# Altium PCB 控制盒基板.PcbDoc (part 5 of 8)
Units mil, origin at the board's own origin, x right, y up, seen from the top; angles counter-clockwise.
Board outline 12046.02 x 6189.14 mil, 4 copper layers (Top Layer, SGND, POWER, Bottom Layer); 368 components, 219 nets, 1110 pads, 351 vias.
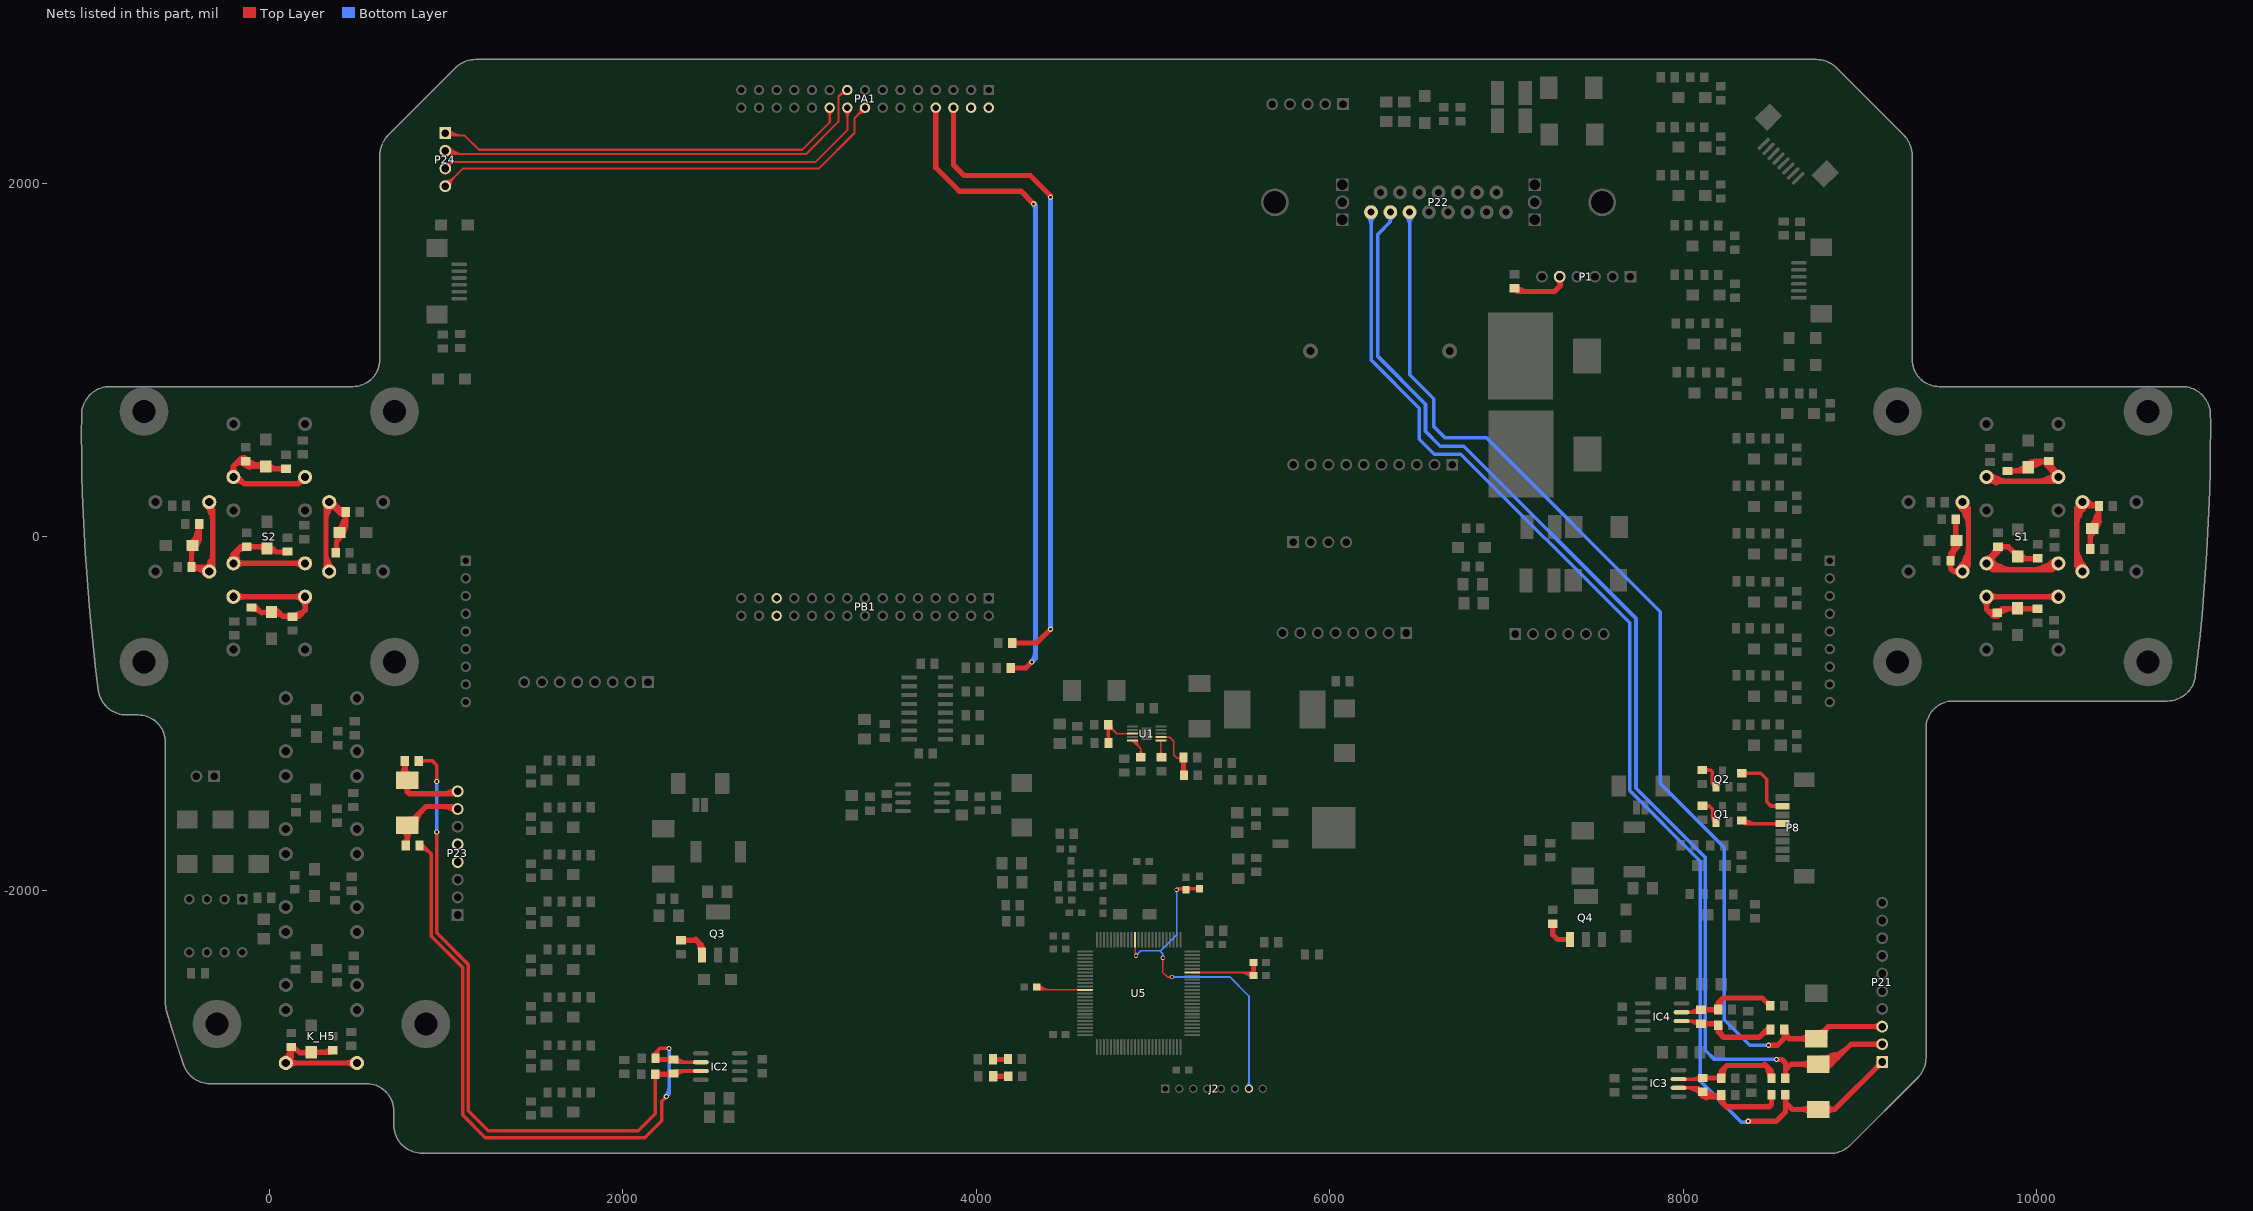
[diagram p7: the nets of this part, all layers, seen from the top]

## Via types
v1: diameter 30, hole 16, Top Layer to Bottom Layer, tented both sides, 209 vias
v2: diameter 24, hole 16, Top Layer to Bottom Layer, tented both sides, 75 vias
v3: diameter 30, hole 18, Top Layer to Bottom Layer, tented both sides, 57 vias
v4: diameter 28, hole 18, Top Layer to Bottom Layer, tented both sides, 10 vias

## Nets (pads, with @x,y where several pads share a name; then routed paths per layer and width w, separated by ;. In a path a pad name is that pad's centre, name@x,y a point inside that pad or via, vN(x,y) a via of type N, cw(c..) or ccw(c..) an arc to the next point about the centre after c; other vN are vias at no path point) (continued)
NetD14_2: D14.2 K_H5.2 R17.1 R22.2 | length 1935.8
  Top Layer w30: K_H5.2@99.71,-2952.51 ccw(c106.13,-2926.61) 125,-2945.47 ; R17.1@113.6,-2890.68 cw(c84.32,-2907.58) 116.97,-2916.33 ; K_H5.2@117.97,-2970.76 cw(c143.87,-2964.34) 125,-2945.47 ; 327.86,-2911.46 cw(c338.22,-2929.42) R22.2@350.12,-2912.43 ; R22.2@359,-2905.37 348.58,-2915.79 D14.2@238,-2915.79 234.79,-2919 171,-2919 138.37,-2886.37 R17.1@125,-2886.37 125,-2945.47 ; K_H5.2@496.85,-2976.77 K_H5.2@93.7,-2976.77 125,-2945.47 ; 154.06,-2976.77 ccw(c154.06,-3037.13) 111.38,-2994.45 cw(c154.06,-3037.13) 154.06,-2976.77 ; 154.06,-2976.77 cw(c154.06,-2916.42) 111.38,-2959.09 ccw(c154.06,-2916.42) 154.06,-2976.77 ; 277.83,-2915.79 ccw(c277.83,-2955.61) 249.67,-2927.45 cw(c277.83,-2955.61) 277.83,-2915.79 ; 277.83,-2915.79 cw(c277.83,-2875.96) 249.67,-2904.12 ccw(c277.83,-2875.96) 277.83,-2915.79 ; 436.5,-2976.77 ccw(c436.5,-2916.42) 479.17,-2959.09 cw(c436.5,-2916.42) 436.5,-2976.77 ; 436.5,-2976.77 cw(c436.5,-3037.13) 479.17,-2994.45 ccw(c436.5,-3037.13) 436.5,-2976.77 ; K_H5.2@82.67,-2954.34 ccw(c49.28,-2886.37) R17.1@125,-2886.37 cw(c49.28,-2886.37) K_H5.2@82.67,-2954.34 ; K_H5.2@95.91,-2981.26 ccw(c72.95,-2934.54) 125,-2934.54 cw(c72.95,-2934.54) K_H5.2@95.91,-2981.26 ; R17.1@128.94,-2894.99 cw(c128.94,-2938.58) 159.76,-2907.76 ccw(c128.94,-2938.58) R17.1@128.94,-2894.99 ; 197.55,-2919 ccw(c197.55,-2878.29) 226.34,-2907.08 cw(c197.55,-2878.29) 197.55,-2919 ; 198.8,-2919 cw(c198.8,-2957.94) 226.34,-2930.41 ccw(c198.8,-2957.94) 198.8,-2919 ; 309.1,-2915.79 ccw(c309.1,-2859.4) 348.97,-2899.27 cw(c309.1,-2859.4) 309.1,-2915.79
NetD31_2: D31.2 R55.1 R57.2 S1.2 | length 3078.9
  Top Layer w30: S1.2@9716.57,338.98 9737.02,338.98 9761,315 ; S1.2@9724.82,315.38 cw(c9739.59,273.14) 9771.22,304.78 ; S1.2@9730.34,318.11 cw(c9743.77,297.77) 9761,315 ; S1.2@9733.7,320.76 cw(c9763.89,288.65) 9785.93,326.82 ; R57.2@9835,372.63 9931.42,372.63 9987.42,428.63 R55.1@10069,428.63 ; 9903.47,380.64 cw(c9920.24,351.59) D31.2@9941.53,377.51 ; D31.2@9957.14,411.84 ccw(c9981.87,487.23) 10022.04,418.81 ; R55.1@10051.56,428.63 ccw(c10096.79,428.63) 10064.81,396.65 ; R55.1@10051.93,432.58 ccw(c10088.69,425.67) 10062.24,399.22 ; 10053.13,326.82 cw(c10075.17,288.65) S1.2@10105.36,320.76 ; R55.1@10067.32,422.09 cw(c10035.23,384.73) 10084.34,388.46 ; 10069,398.31 cw(c10103.26,398.31) R55.1@10079.03,422.53 ; 10080.58,396.87 ccw(c10140.6,431.53) S1.2@10127.28,363.51 ; R55.1@10081.41,427.04 ccw(c10156.33,412.94) S1.2@10102.42,359.03 ; R55.1@10081.56,428.63 ccw(c10199.21,428.63) S1.2@10116.02,345.44 ; 10087.4,395.01 ccw(c10146.66,429.22) S1.2@10128.95,363.12 ; 10093.11,385.12 cw(c10047.83,358.98) 10098.33,345.45 ccw(c10064.24,354.58) 10094.81,372.22 ; 9761,315 10098.5,315 S1.2@10122.48,338.98 10069,392.46 R55.1@10069,428.63 ; R55.1@10069,428.63 ccw(c10068.99,280.87) 9963.75,384.59 cw(c10068.99,280.87) R55.1@10069,428.63 ; 10079.8,381.65 ccw(c10122.48,424.33) 10122.48,363.98 cw(c10122.48,424.33) 10079.8,381.65 ; 10079.8,381.65 cw(c10037.13,338.98) 10097.48,338.98 ccw(c10037.13,338.98) 10079.8,381.65 ; S1.2@9713.04,335.44 ccw(c9762.39,384.79) 9762.39,315 cw(c9762.39,384.79) S1.2@9713.04,335.44 ; S1.2@9734.25,356.65 ccw(c9834.81,457.21) 9834.81,315 cw(c9834.81,457.21) S1.2@9734.25,356.65 ; 9869.62,372.63 ccw(c9869.62,472.64) 9940.34,401.92 cw(c9869.62,472.64) 9869.62,372.63 ; D31.2@9942.38,405.64 cw(c9997.31,351.51) 9997.31,428.63 ccw(c9997.31,351.51) D31.2@9942.38,405.64 ; D31.2@9952,412.66 ccw(c9952,459.61) 9985.2,426.41 cw(c9952,459.61) D31.2@9952,412.66 ; D31.2@9968.5,396.16 cw(c10001.19,396.16) 9978.07,419.28 ccw(c10001.19,396.16) D31.2@9968.5,396.16 ; 10004.24,315 ccw(c10004.24,457.21) 10104.8,356.65 cw(c10004.24,457.21) 10004.24,315 ; 10076.67,315 ccw(c10076.67,384.79) 10126.02,335.44 cw(c10076.67,384.79) 10076.67,315
NetD32_2: D32.2 R56.1 R58.2 S2.2 | length 2087.2
  Top Layer w30: S2.2@-196.31,314.87 cw(c-180.93,259.07) -140,300 ; -194.59,408.41 cw(c-158.85,372.68) R56.1@-140.13,419.62 ; -166.05,436.95 cw(c-136.94,407.83) R56.1@-136.94,449.01 ; R56.1@-138.7,419.19 ccw(c-153.13,350.23) -202.95,400.05 ; R56.1@-126.83,419.3 cw(c-114.08,371.73) -89.46,414.38 ; R56.1@-121.28,423.92 ccw(c-100.4,413.95) -111.97,393.91 ; -77.41,408.98 ccw(c-60.64,471.56) D32.2@-28.25,415.45 ; D32.2@-5.78,386.89 cw(c8.18,378.67) 16.29,392.71 ; R58.2@95,385.63 20.37,385.63 ; S2.2@178.01,337.32 cw(c129.85,334.13) 163.98,300 ; S2.2@201.3,314.03 ccw(c198.1,265.88) 163.98,300 ; S2.2@202.95,338.98 163.98,300 ; -202.95,399.33 ccw(c-142.6,399.33) -185.28,356.65 cw(c-142.6,399.33) -202.95,399.33 ; -202.95,399.33 cw(c-263.31,399.33) -220.63,356.65 ccw(c-263.31,399.33) -202.95,399.33 ; -202.95,400.05 -175.37,427.63 R56.1@-133,427.63 -103.58,398.21 D32.2@-20,398.21 7.79,398.21 20.37,385.63 ; -202.95,400.05 S2.2@-202.95,338.98 -178.98,338.98 -140,300 ; -140,300 163.98,300 ; -59.82,398.21 ccw(c-59.82,438.04) -31.66,409.88 cw(c-59.82,438.04) -59.82,398.21 ; -59.82,398.21 cw(c-59.82,358.39) -31.66,386.55 ccw(c-59.82,358.39) -59.82,398.21 ; 20.37,385.63 cw(c20.37,413.39) -4.95,402.02 ccw(c20.37,413.39) 20.37,385.63 ; R56.1@-144.18,412.51 ccw(c-109.65,447.04) -109.65,398.21 cw(c-109.65,447.04) R56.1@-144.18,412.51 ; R56.1@-122.97,433.73 ccw(c-37.23,519.47) -37.23,398.21 cw(c-37.23,519.47) R56.1@-122.97,433.73 ; R56.1@-120.44,427.63 ccw(c-90.12,427.63) -111.56,406.19 cw(c-90.12,427.63) R56.1@-120.44,427.63 ; D32.2@-8.33,406.92 ccw(c43.07,458.33) 43.07,385.63 cw(c43.07,458.33) D32.2@-8.33,406.92
NetD34_2: D34.2 R60.1 R63.2 S1.4 | length 1992.9
  Top Layer w30: 9746.79,-441.79 ccw(c9768.88,-419.71) R60.1@9782.15,-447.98 ; R60.1@9769.4,-420.82 cw(c9749.57,-378.58) 9716.58,-411.58 ; R60.1@9783.17,-420.3 ccw(c9795.92,-372.73) 9820.54,-415.38 ; R63.2@10005,-407.63 9806,-407.63 9780,-433.63 9738.63,-433.63 9716.57,-411.57 ; S1.4@10122.48,-338.98 S1.4@9716.57,-338.98 9716.57,-411.57 ; 9716.57,-399.33 ccw(c9656.22,-399.33) 9698.9,-356.65 cw(c9656.22,-399.33) 9716.57,-399.33 ; 9716.57,-399.33 cw(c9776.93,-399.33) S1.4@9734.25,-356.65 ; 9716.57,-399.33 cw(c9776.93,-399.33) S1.4@9734.25,-356.65 ; S1.4@9734.25,-356.65 cw(c9776.93,-399.33) 9776.93,-338.98 ; S1.4@9734.25,-356.65 cw(c9776.93,-399.33) 9776.93,-338.98 ; 9776.93,-338.98 cw(c9776.93,-278.62) 9734.25,-321.3 ccw(c9776.93,-278.62) 9776.93,-338.98 ; 10062.13,-338.98 ccw(c10062.13,-278.62) 10104.8,-321.3 cw(c10062.13,-278.62) 10062.13,-338.98 ; 10062.13,-338.98 cw(c10062.13,-399.33) 10104.8,-356.65 ccw(c10062.13,-399.33) 10062.13,-338.98 ; 9740.18,-433.63 ccw(c9740.18,-395.74) 9766.97,-422.53 cw(c9740.18,-395.74) 9740.18,-433.63 ; R60.1@9780.94,-420.01 ccw(c9780.94,-389.38) 9802.59,-411.04 cw(c9780.94,-389.38) R60.1@9780.94,-420.01 ; R60.1@9787.03,-434.73 cw(c9852.45,-500.14) 9852.45,-407.63 ccw(c9852.45,-500.14) R60.1@9787.03,-434.73 ; 9851.06,-407.63 ccw(c9851.06,-366.22) 9880.34,-395.5 cw(c9851.06,-366.22) 9851.06,-407.63 ; 9853.29,-407.63 cw(c9853.29,-445.87) 9880.34,-418.83 ccw(c9853.29,-445.87) 9853.29,-407.63 ; D34.2@9903.66,-418.83 cw(c9930.71,-445.87) 9930.71,-407.63 ccw(c9930.71,-445.87) D34.2@9903.66,-418.83 ; D34.2@9903.66,-395.5 ccw(c9932.94,-366.22) 9932.94,-407.63 cw(c9932.94,-366.22) D34.2@9903.66,-395.5
NetD35_2: D35.2 R61.1 R64.2 S2.4 | length 2371.1
  Top Layer w30: S2.4@-202.95,-338.98 S2.4@202.95,-338.98 202.95,-415.05 168,-450 R61.1@130.37,-450 ; R64.2@-101,-399.63 -73.37,-399.63 -45,-428 ; R64.2@-97.06,-408.25 cw(c-97.06,-486.27) -41.9,-431.1 ; R64.2@-96.6,-408.24 cw(c-92.94,-475.94) -45,-428 ; R64.2@-92.85,-407.15 cw(c-80.04,-429.99) -61.52,-411.48 ; R64.2@-89.6,-395.32 ccw(c-46.94,-370.69) -59.69,-418.27 ; D35.2@4.42,-416.99 cw(c23.77,-445.5) 48.14,-421.14 ; D35.2@5.27,-416.46 cw(c23.47,-448.12) 49.3,-422.3 ; D35.2@9.85,-414.83 cw(c18.55,-468.67) 57.11,-430.11 ; D35.2@20.22,-442.47 cw(c43.69,-483.31) 77,-450 ; D35.2@21.27,-441.81 cw(c44.52,-476.07) 73.79,-446.79 ; R61.1@132,-451.63 R61.1@130.37,-450 ; R61.1@143.4,-455.94 cw(c186.06,-480.57) 173.31,-432.99 ; -142.6,-338.98 ccw(c-142.6,-399.33) -185.28,-356.65 cw(c-142.6,-399.33) -142.6,-338.98 ; -142.6,-338.98 cw(c-142.6,-278.62) -185.28,-321.3 ccw(c-142.6,-278.62) -142.6,-338.98 ; -45,-428 9.21,-428 D35.2@12,-425.21 52.21,-425.21 77,-450 ; 51.83,-425.21 ccw(c51.83,-465.04) 23.67,-436.88 cw(c51.83,-465.04) 51.83,-425.21 ; 51.83,-425.21 cw(c51.83,-385.39) 23.67,-413.55 ccw(c51.83,-385.39) 51.83,-425.21 ; 77,-450 R61.1@130.37,-450 ; 142.6,-338.98 ccw(c142.6,-278.62) 185.27,-321.3 cw(c142.6,-278.62) 142.6,-338.98 ; 142.6,-338.98 cw(c142.6,-399.33) S2.4@185.27,-356.65 ; 142.6,-338.98 cw(c142.6,-399.33) S2.4@185.27,-356.65 ; S2.4@185.27,-356.65 cw(c142.6,-399.33) 202.95,-399.33 ; S2.4@185.27,-356.65 cw(c142.6,-399.33) 202.95,-399.33 ; 202.95,-399.33 cw(c263.31,-399.33) 220.63,-356.65 ccw(c263.31,-399.33) 202.95,-399.33 ; -28.22,-428 cw(c-28.22,-468.39) 0.34,-439.83 ccw(c-28.22,-468.39) -28.22,-428 ; -27.43,-428 ccw(c-27.43,-388.74) 0.34,-416.5 cw(c-27.43,-388.74) -27.43,-428 ; 103.31,-450 cw(c103.31,-476.38) 121.97,-457.73 ccw(c103.31,-476.38) 103.31,-450 ; R61.1@135.94,-443.01 ccw(c135.94,-348.72) 202.61,-415.39 cw(c135.94,-348.72) R61.1@135.94,-443.01 ; R61.1@142.03,-457.73 cw(c160.69,-476.38) 160.69,-450 ccw(c160.69,-476.38) R61.1@142.03,-457.73
NetD37_2: D37.2 R66.1 R69.2 S1.8 | length 3257.4
  Top Layer w30: 10228.02,-152.64 ccw(c10260.66,-133.8) S1.8@10259.6,-171.47 ; 10228.02,152.64 cw(c10260.66,133.8) S1.8@10259.6,171.47 ; 10230.37,-156.7 cw(c10192.38,-178.63) S1.8@10234.75,-189.99 ; 10230.37,156.7 ccw(c10192.38,178.63) S1.8@10234.75,189.99 ; S1.8@10234.4,-191.47 ccw(c10204.23,-185.33) 10226,-163.56 ; S1.8@10234.4,191.47 cw(c10204.23,185.33) 10226,163.56 ; S1.8@10237.68,-183.23 ccw(c10180.12,-147.36) 10238.86,-113.45 ; S1.8@10237.68,183.23 cw(c10180.12,147.36) 10238.86,113.45 ; S1.8@10253.91,-171.96 cw(c10247.77,-141.79) 10226,-163.56 ; S1.8@10253.91,171.96 ccw(c10247.77,141.79) 10226,163.56 ; S1.8@10258.9,-196.46 10226,-163.56 ; S1.8@10263.14,-199.1 ccw(c10228.2,-177.33) 10263.85,-156.75 ; S1.8@10263.14,199.1 cw(c10228.2,177.33) 10263.85,156.75 ; R69.2@10303.63,-69 10303,-68.37 10303,3 10314.21,14.21 ; D37.2@10317.54,64.49 ccw(c10318.47,104.79) 10353.38,84.63 ; 10322.67,183.03 ccw(c10331.42,215.68) R66.1@10348.32,186.4 ; D37.2@10333.1,52.27 cw(c10424.12,76.66) 10342.51,123.77 ; 10226,-163.56 10226,163.56 ; 10226,163.56 S1.8@10258.9,196.46 10280.35,175 R66.1@10352.63,175 ; 10314.21,14.21 ccw(c10287.86,14.21) 10304.07,34.99 cw(c10287.86,14.21) 10314.21,14.21 ; 10314.21,14.21 cw(c10340.56,14.21) 10324.36,34.99 ccw(c10340.56,14.21) 10314.21,14.21 ; 10314.21,14.21 D37.2@10314.21,48 10352.63,86.42 R66.1@10352.63,175 ; R66.1@10352.62,175 cw(c10352.62,267.78) 10278.79,211.59 ccw(c10352.62,267.78) R66.1@10352.62,175 ; 10226,-129.11 ccw(c10326.25,-129.11) 10255.36,-199.99 cw(c10326.25,-129.11) 10226,-129.11 ; 10226,-56.68 ccw(c10398.67,-56.68) 10276.57,-178.78 cw(c10398.67,-56.68) 10226,-56.68 ; 10226,56.68 cw(c10398.67,56.68) 10276.57,178.78 ccw(c10398.67,56.68) 10226,56.68 ; 10226,129.11 cw(c10326.25,129.11) 10255.36,199.99 ccw(c10326.25,129.11) 10226,129.11 ; 10303,-11.77 cw(c10371.03,-11.77) 10322.92,36.34 ccw(c10371.03,-11.77) 10303,-11.77 ; 10303,2.25 cw(c10341.16,2.25) 10320.28,34.19 ccw(c10341.16,2.25) 10303,2.25 ; D37.2@10305.5,59.66 ccw(c10191.72,173.44) 10352.63,173.44 cw(c10191.72,173.44) D37.2@10305.5,59.66 ; D37.2@10317.17,64.5 ccw(c10317.17,97.19) 10340.29,74.07 cw(c10317.17,97.19) D37.2@10317.17,64.5 ; D37.2@10326.71,38.45 ccw(c10264.15,101.01) 10352.63,101.01 cw(c10264.15,101.01) D37.2@10326.71,38.45 ; D37.2@10333.66,48 cw(c10380.61,48) 10347.41,81.2 ccw(c10380.61,48) D37.2@10333.66,48
NetD38_2: D38.2 R67.1 R70.2 S2.8 | length 2675.6
  Top Layer w30: S2.8@324.08,-176.67 ccw(c304.67,-151.55) 332.17,-135.68 ; S2.8@324.08,176.67 cw(c304.67,151.55) 332.17,135.68 ; S2.8@339.37,-196.46 321,-178.09 321,178.09 S2.8@339.37,196.46 395.83,140 R67.1@433.63,140 ; S2.8@347.66,188.17 ccw(c433.63,274.14) R67.1@433.63,152.56 ; S2.8@360.24,175.58 ccw(c418.77,234.11) R67.1@432.23,152.44 ; S2.8@363.52,202.93 ccw(c431.82,221.23) 396.46,159.99 ; S2.8@363.69,202.24 ccw(c440.78,220.59) 401.16,151.96 ; 371.85,168.88 ccw(c354.71,139.2) 345.84,172.31 cw(c358.78,124.01) 383.78,167.31 ; R70.2@375.63,-90 381,-84.63 381,-26 ; D38.2@382.02,13.94 cw(c360.5,-5.49) 381,-26 ; 393.72,156.25 cw(c388.88,107.24) R67.1@426.96,138.47 ; 398.87,136.96 ccw(c433.63,171.71) R67.1@433.63,122.56 ; 401.56,134.27 ccw(c430.46,163.17) R67.1@437.11,122.84 ; D38.2@415.84,30.14 cw(c486.08,53.16) 423.37,92.29 ; 381,-26 397.21,-9.79 ; 382.05,153.78 ccw(c339.37,111.1) 339.37,171.46 cw(c339.37,111.1) 382.05,153.78 ; 382.05,153.78 cw(c424.73,196.46) 364.37,196.46 ccw(c424.73,196.46) 382.05,153.78 ; 397.21,-9.79 ccw(c368.78,-9.79) 386.77,12.23 cw(c368.78,-9.79) 397.21,-9.79 ; 397.21,-9.79 cw(c425.64,-9.79) 407.65,12.23 ccw(c425.64,-9.79) 397.21,-9.79 ; 397.21,-9.79 D38.2@397.21,25 433.63,61.42 R67.1@433.63,140 ; R67.1@433.63,140 cw(c292.8,139.99) 388.91,37.06 ccw(c292.8,139.99) R67.1@433.63,140 ; 321,-91.75 ccw(c444.08,-91.75) 357.05,-178.78 cw(c444.08,-91.75) 321,-91.75 ; 321,91.75 cw(c444.08,91.75) 357.05,178.78 ccw(c444.08,91.75) 321,91.75 ; R70.2@369.53,-79.97 ccw(c341.85,-52.28) 381,-52.28 cw(c341.85,-52.28) R70.2@369.53,-79.97 ; D38.2@400.17,41.5 ccw(c400.17,74.19) 423.29,51.07 cw(c400.17,74.19) D38.2@400.17,41.5 ; D38.2@409.38,15.13 ccw(c357.27,70.94) 433.63,70.94 cw(c357.27,70.94) D38.2@409.38,15.13 ; D38.2@416.66,25 cw(c463.61,25) 430.41,58.2 ccw(c463.61,25) D38.2@416.66,25
NetD40_2: D40.2 R72.1 R75.2 S1.6 | length 2895.1
  Top Layer w30: R72.1@9507.56,-123.91 ccw(c9480.06,-83.05) 9528.4,-92.5 ; D40.2@9527.42,-25.88 cw(c9464.04,-50.04) 9512,-98 ; R75.2@9542.37,99 9542.37,-16.58 D40.2@9545.79,-20 9545.79,-64.21 ; 9544.75,-65.25 ccw(c9511.46,-31.96) D40.2@9555.45,-15.19 ; 9575.53,-156.18 ccw(c9612.13,-177.31) S1.6@9575.87,-199.03 ; 9575.53,156.18 cw(c9612.13,177.31) S1.6@9575.87,199.02 ; S1.6@9578.8,-171.49 ccw(c9576.6,-130.83) 9611.87,-151.19 ; S1.6@9578.8,171.49 cw(c9576.6,130.83) 9611.87,151.19 ; S1.6@9580.16,196.46 9614,162.61 ; S1.6@9584.57,-171.85 ccw(c9590.44,-139.06) 9614,-162.61 ; S1.6@9584.57,171.85 cw(c9590.44,139.06) 9614,162.61 ; 9601.03,-112 ccw(c9662.21,-147.32) S1.6@9601.61,-183.61 ; 9601.03,112 cw(c9662.21,147.32) S1.6@9601.61,183.61 ; S1.6@9604.3,-189.99 cw(c9646.68,-178.63) 9608.69,-156.7 ; S1.6@9604.3,189.99 ccw(c9646.68,178.63) 9608.69,156.7 ; S1.6@9604.76,-192.05 cw(c9637.55,-186.17) 9614,-162.61 ; S1.6@9604.76,192.04 ccw(c9637.55,186.17) 9614,162.61 ; 9512,-98 9512,-134.63 R72.1@9512.37,-135 9512.37,-179.37 9529.46,-196.46 ; 9512,-98 9545.79,-64.21 ; 9529.46,-196.46 ccw(c9529.46,-157.55) 9560.32,-181.24 cw(c9529.46,-157.55) 9529.46,-196.46 ; 9529.46,-196.46 cw(c9529.46,-235.36) 9560.32,-211.68 ccw(c9529.46,-235.36) 9529.46,-196.46 ; 9529.46,-196.46 S1.6@9580.16,-196.46 9614,-162.61 ; 9545.78,-64.22 ccw(c9606.17,-124.6) 9520.97,-130.47 cw(c9606.17,-124.6) 9545.78,-64.22 ; 9545.79,-59.83 ccw(c9505.96,-59.83) 9534.12,-31.66 cw(c9505.96,-59.83) 9545.79,-59.83 ; 9545.79,-59.83 cw(c9585.61,-59.83) 9557.45,-31.66 ccw(c9585.61,-59.83) 9545.79,-59.83 ; 9614,-162.61 9614,162.61 ; D40.2@9531.17,-8.34 ccw(c9504.13,18.71) 9542.37,18.71 cw(c9504.13,18.71) D40.2@9531.17,-8.34 ; 9542.37,20.94 ccw(c9583.78,20.94) 9554.5,-8.34 cw(c9583.78,20.94) 9542.37,20.94 ; S1.6@9562.48,-178.78 ccw(c9438.1,-54.4) 9614,-54.4 cw(c9438.1,-54.4) S1.6@9562.48,-178.78 ; S1.6@9562.48,178.78 cw(c9438.1,54.4) 9614,54.4 ccw(c9438.1,54.4) S1.6@9562.48,178.78 ; S1.6@9583.69,-199.99 ccw(c9510.52,-126.82) 9614,-126.82 cw(c9510.52,-126.82) S1.6@9583.69,-199.99 ; S1.6@9583.69,199.99 cw(c9510.52,126.82) 9614,126.82 ccw(c9510.52,126.82) S1.6@9583.69,199.99
NetD41_2: D41.2 R73.1 R76.2 S2.6 | length 2481.4
  Top Layer w30: R73.1@-435.32,-182.4 cw(c-418.42,-211.68) -409.67,-179.03 ; D41.2@-429.99,-33.55 ccw(c-427.21,2.54) -396.01,-15.82 ; D41.2@-415.41,-45.44 cw(c-331.33,-21.27) -406.73,23.1 ; -395.51,-182.74 ccw(c-378.34,-161.1) S2.6@-357.88,-179.66 ; R76.2@-392.63,76 R76.2@-396.63,72 ; S2.6@-339.37,196.46 -339.37,170.37 -320,151 ; -331.28,-134.15 ccw(c-302.01,-151.05) S2.6@-323.49,-177.15 ; -331.28,134.15 cw(c-302.01,151.05) S2.6@-323.49,177.15 ; S2.6@-320.77,179.75 ccw(c-305.22,165.78) -320,151 ; R73.1@-439.63,-171 cw(c-439.62,-270.83) -359.45,-211.35 ccw(c-439.62,-270.83) R73.1@-439.63,-171 ; R73.1@-439.63,-171 -364.83,-171 S2.6@-339.37,-196.46 -320,-177.09 -320,151 ; R73.1@-439.63,-171 -439.63,-55.42 D41.2@-434.21,-50 -396.63,-12.42 R76.2@-396.63,72 ; R76.2@-396.63,72 cw(c-551.24,71.99) -442.83,-38.24 ccw(c-551.24,71.99) R76.2@-396.63,72 ; D41.2@-448.83,-61.66 cw(c-471.04,-83.88) -439.63,-83.88 ccw(c-471.04,-83.88) D41.2@-448.83,-61.66 ; -439.63,-95.77 cw(c-391.39,-95.77) -425.5,-61.66 ccw(c-391.39,-95.77) -439.63,-95.77 ; D41.2@-431.26,-33.5 ccw(c-431.26,-0.81) -408.14,-23.93 cw(c-431.26,-0.81) D41.2@-431.26,-33.5 ; D41.2@-421.79,-59.63 ccw(c-480.84,0.41) -396.63,0.41 cw(c-480.84,0.41) D41.2@-421.79,-59.63 ; D41.2@-414.76,-50 cw(c-367.81,-50) -401.01,-16.8 ccw(c-367.81,-50) D41.2@-414.76,-50 ; -380.02,-171 cw(c-380.02,-226.61) -335.35,-193.48 ccw(c-380.02,-226.61) -380.02,-171 ; S2.6@-357.05,-178.78 ccw(c-446.49,-89.34) -320,-89.34 cw(c-446.49,-89.34) S2.6@-357.05,-178.78 ; S2.6@-357.05,178.78 cw(c-446.49,89.34) -320,89.34 ccw(c-446.49,89.34) S2.6@-357.05,178.78 ; S2.6@-342.05,171.6 cw(c-344.7,147.05) -320,147.05 ccw(c-344.7,147.05) S2.6@-342.05,171.6
NetD43_2: D43.2 R78.1 R81.2 S1.10 | length 3277.8
  Top Layer w30: S1.10@9714.17,-145.61 cw(c9735.71,-184.95) 9758.13,-146.11 ; S1.10@9719.76,-174.8 cw(c9724.76,-213.81) 9752.57,-186 ; S1.10@9723.05,-174.15 cw(c9734.4,-216.52) 9756.33,-178.53 ; S1.10@9728.58,-171.93 cw(c9765.7,-239.7) 9804.33,-172.78 ; S1.10@9741.37,-153.18 ccw(c9780.39,-158.18) 9752.57,-186 ; S1.10@9741.43,-147.28 ccw(c9789.14,-142.05) 9765.14,-183.62 ; 9758.43,-93.74 cw(c9806,-106.49) R78.1@9781.37,-63.84 ; D43.2@9906.93,-122.58 cw(c9921.58,-131.87) 9930.25,-116.85 ; R81.2@10006,-121.37 10003.37,-124 9929,-124 ; 10034.72,-172.78 cw(c10073.36,-239.7) S1.10@10110.47,-171.93 ; 10073.92,-183.62 ccw(c10049.92,-142.05) S1.10@10097.63,-147.28 ; 10080.92,-146.11 cw(c10103.34,-184.95) S1.10@10124.88,-145.61 ; 10082.72,-178.53 cw(c10104.66,-216.52) S1.10@10116.01,-174.15 ; S1.10@10097.68,-153.18 cw(c10058.67,-158.18) 10086.48,-186 ; S1.10@10119.3,-174.8 ccw(c10114.3,-213.81) 10086.48,-186 ; S1.10@10122.48,-150 10086.48,-186 ; 9752.57,-186 10086.48,-186 ; 9752.57,-186 S1.10@9716.57,-150 9781,-85.57 R78.1@9781,-56.37 9838.58,-56.37 D43.2@9893,-110.79 9915.79,-110.79 9929,-124 ; 9759.25,-107.32 ccw(c9801.93,-150) 9741.57,-150 cw(c9801.93,-150) 9759.25,-107.32 ; 9759.25,-107.32 cw(c9716.57,-64.65) 9716.57,-125 ccw(c9716.57,-64.65) 9759.25,-107.32 ; 9929,-124 cw(c9929,-102.9) 9908.8,-108.98 ccw(c9929,-102.9) 9929,-124 ; S1.10@9710.1,-125.85 ccw(c9687.26,-40.59) 9763.7,-84.73 cw(c9687.26,-40.59) S1.10@9710.1,-125.85 ; S1.10@9713.04,-153.54 ccw(c9791.41,-75.16) 9791.41,-186 cw(c9791.41,-75.16) S1.10@9713.04,-153.54 ; S1.10@9734.25,-132.32 ccw(c9863.84,-2.73) 9863.84,-186 cw(c9863.84,-2.73) S1.10@9734.25,-132.32 ; S1.10@9738.91,-127.66 ccw(c9667.62,-56.37) 9768.44,-56.37 cw(c9667.62,-56.37) S1.10@9738.91,-127.66 ; S1.10@9740.72,-143.53 cw(c9772.06,-135.13) 9743.96,-118.91 ccw(c9772.06,-135.13) S1.10@9740.72,-143.53 ; R78.1@9790.12,-76.45 ccw(c9770.04,-56.37) 9798.44,-56.37 cw(c9770.04,-56.37) R78.1@9790.12,-76.45 ; 9859.8,-77.59 ccw(c9893,-44.39) 9893,-91.34 cw(c9893,-44.39) 9859.8,-77.59 ; D43.2@9866.93,-84.72 cw(c9843.81,-107.84) 9876.5,-107.84 ccw(c9843.81,-107.84) D43.2@9866.93,-84.72 ; D43.2@9904.67,-102.08 ccw(c9957.59,-49.15) 9957.59,-124 cw(c9957.59,-49.15) D43.2@9904.67,-102.08 ; 9974.9,-124 ccw(c9974.9,-94.21) 9995.97,-115.27 cw(c9974.9,-94.21) 9974.9,-124 ; 9975.21,-186 ccw(c9975.21,-2.73) 10104.8,-132.32 cw(c9975.21,-2.73) 9975.21,-186 ; 10047.64,-186 ccw(c10047.64,-75.16) 10126.02,-153.54 cw(c10047.64,-75.16) 10047.64,-186
NetD44_2: D44.2 R79.1 R82.2 S2.10 | length 2113.9
  Top Layer w30: S2.10@-199.96,-154.01 ccw(c-227.08,-117.64) -181.89,-113.69 ; -175.09,-70.09 cw(c-149.97,-95.21) R79.1@-134.65,-63.15 ; -168.31,-74.01 ccw(c-181.05,-26.43) R79.1@-138.4,-51.06 ; D44.2@-2.62,-82.31 cw(c15.48,-108.52) 38,-86 ; R82.2@104,-83.37 101.37,-86 38,-86 ; S2.10@202.95,-150 S2.10@-202.95,-150 -202.95,-97.95 ; -202.95,-97.96 ccw(c-161.28,-97.96) -187.33,-130.49 cw(c-161.28,-97.96) -202.95,-97.96 ; -202.95,-97.96 cw(c-244.63,-97.96) -218.58,-130.49 ccw(c-244.63,-97.96) -202.95,-97.96 ; -202.95,-97.95 -160.37,-55.37 -22.42,-55.37 D44.2@-12,-65.79 17.79,-65.79 38,-86 ; -142.6,-150 ccw(c-142.6,-210.36) -185.28,-167.68 cw(c-142.6,-210.36) -142.6,-150 ; -142.6,-150 cw(c-142.6,-89.65) -185.28,-132.32 ccw(c-142.6,-89.65) -142.6,-150 ; 142.6,-150 ccw(c142.6,-89.65) 185.27,-132.32 cw(c142.6,-89.65) 142.6,-150 ; 142.6,-150 cw(c142.6,-210.36) 185.27,-167.68 ccw(c142.6,-210.36) 142.6,-150 ; S2.10@-207.65,-151.71 cw(c-151.19,-131.16) -193.67,-88.67 ccw(c-151.19,-131.16) S2.10@-207.65,-151.71 ; -195.9,-90.9 cw(c-130.94,-155.87) -130.94,-63.99 ccw(c-130.94,-155.87) -195.9,-90.9 ; S2.10@-179.46,-141.45 cw(c-102.35,-113.39) -160.37,-55.37 ccw(c-102.35,-113.39) S2.10@-179.46,-141.45 ; -69.85,-55.37 cw(c-69.85,-120.68) -23.66,-74.5 ccw(c-69.85,-120.68) -69.85,-55.37 ; 72.9,-86 ccw(c72.9,-56.21) 93.97,-77.27 cw(c72.9,-56.21) 72.9,-86